# KiCad board copy.kicad_pcb (continued)
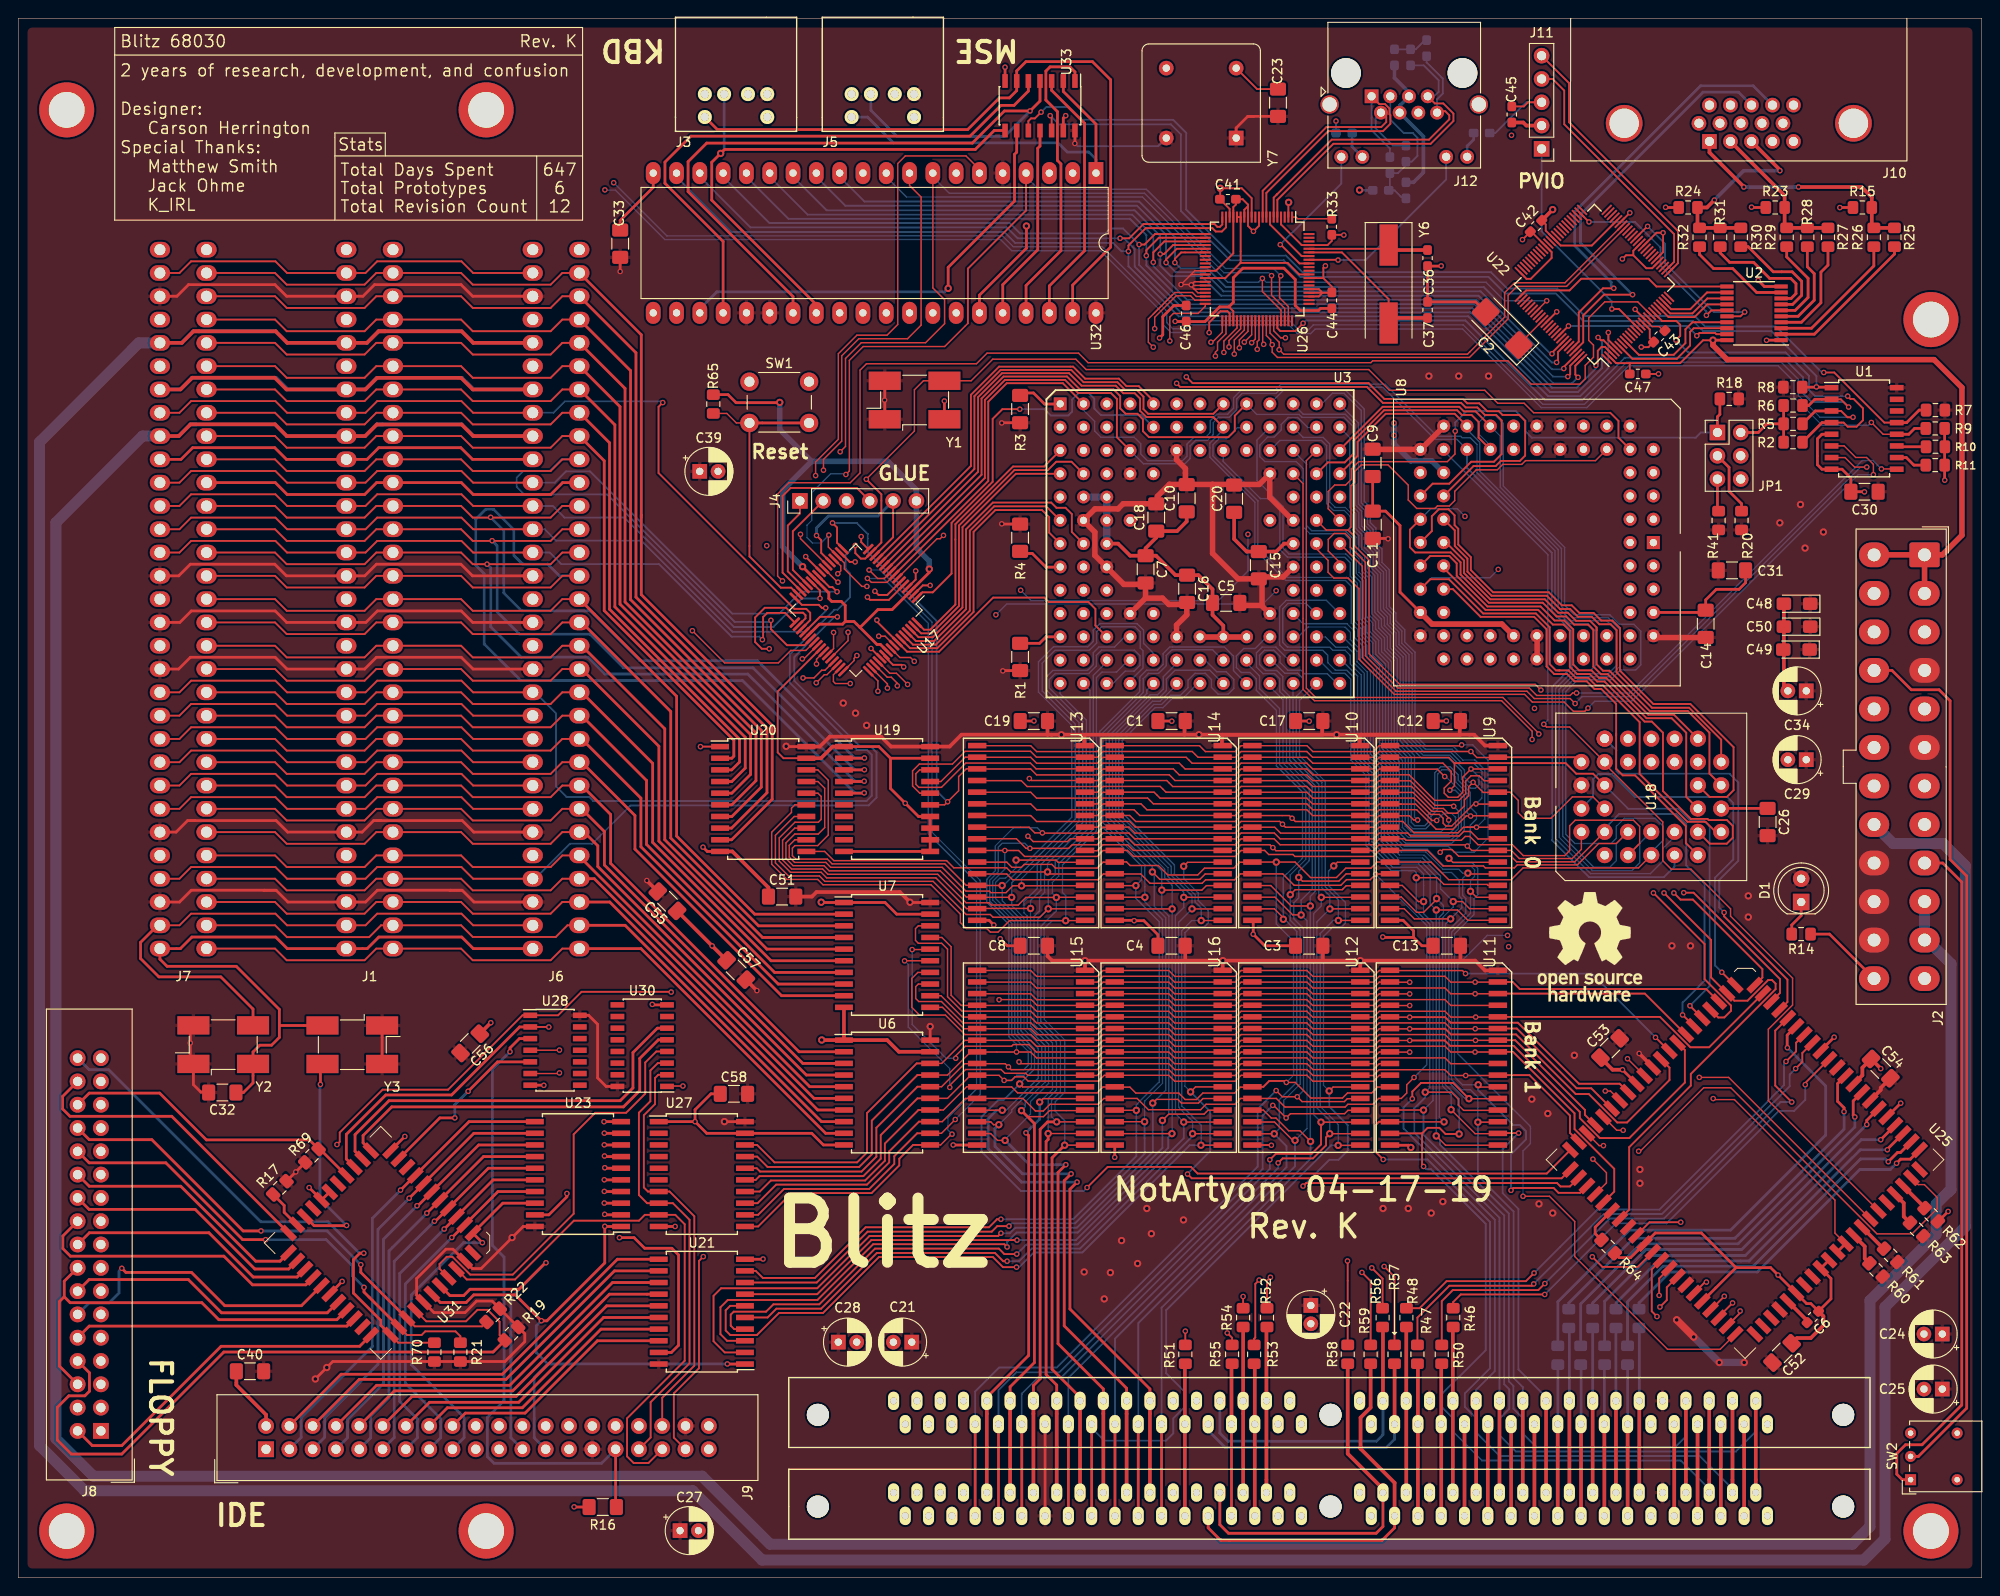
[diagram p0: board, top side]
## Routing (per net, layer and track width the routed paths; a pad name or vN(x,y) marks a point on that pad's centre or on a via; arc(x,y) is an arc through that point) (continued)
/D3: length 194.2
  Top w0.15: v2(154.55,48.16) 155.56,47.15 161.27,47.15 ; v2(154.55,72.79) 156.88,72.79 158,71.66 161.35,71.66
  Top w0.4: U24.8 U5.8
  In1.Cu w0.15: 144.06,100.02 144.26,100.02 147.73,103.49 147.73,112.62 151.58,116.47 165.44,116.47 175.26,106.65 176.44,106.65 176.96,107.17 176.96,109.03 U8.68
  Bottom w0.15: v2(154.55,48.16) v2(154.55,72.79) 153.88,73.46 153.88,76.55 153.29,77.14 153.29,77.15 152.64,77.8 149.96,77.8 147.55,80.21 147.55,87.77 145.98,89.34 145.98,98.28 144.27,99.99
  Bottom w0.2: U5.8 181.76,15.39 180.6,14.23 165.49,14.23 163.96,15.76 163.96,17.42 162.96,18.42 162.96,20.9 162.46,21.4 162.46,39.71 154.95,47.22 154.95,47.76 v2(154.55,48.16)
/D4: length 171
  Top w0.15: v2(156.4,73.71) 157.41,73.71 158.19,72.94 161.35,72.94 ; v2(156.17,51.02) 158.78,48.41 161,48.41
  Top w0.2: U11.18 161.31,48.47 v1(163.53,48.47)
  Top w0.4: U24.20 U5.20
  In1.Cu w0.15: U8.67 177.11,111.42 173.94,111.42 166.35,119.01 151.78,119.01 147.01,114.24 147.01,103.76 144.74,101.49 142.84,101.49 141.76,102.57 141.49,102.57
  Bottom w0.15: v2(156.17,51.02) 156.17,52.65 155.24,53.58 155.24,71.95 156.4,73.11 v2(156.4,73.71) 155.01,75.1 155.01,76.5 153.05,78.46 150.35,78.46 148.22,80.59 148.22,88.01 146.71,89.52 146.71,98.59 145.54,99.76 145.54,100.79 144.88,101.45 143.57,101.45 142.47,102.55 141.48,102.55
  Bottom w0.2: v1(163.53,48.47) 161.79,46.73 161.79,41.92 163.51,40.2 163.51,22.69 166.52,19.67 U5.20
/D5: length 175.4
  Top w0.15: 160.97,74.15 160.99,74.18 158.94,74.18 v2(158.28,74.83) ; 161,49.68 160.99,49.66 v2(159.09,49.66)
  Top w0.4: U24.22 U5.22
  In1.Cu w0.15: U8.66 174.67,107.77 165.62,116.82 151.43,116.82 147.36,112.75 147.36,103.62 144.88,101.14 142.5,101.14 142.33,101.31 140.89,101.31 140.25,101.95 140.25,103.82 U3.K11
  Bottom w0.15: 156.75,77.59 158.3,77.59 158.73,77.16 158.73,76.47 158.28,76.02 v2(158.28,74.83) 158.28,72.43 156.22,70.37 156.22,54.29 157.31,53.2 158.28,53.2 159.09,52.39 v2(159.09,49.66) ; 156.75,77.59 157.22,77.59 ; 156.75,77.59 155.41,77.59 153.59,79.41 150.92,79.41 149.22,81.11 149.22,88.44 147.7,89.96 147.7,99.08 146.63,100.15 146.63,101.5 145.63,102.5 145.63,103.19 144.81,104.01 140.02,104.01 138.94,105.09
  Bottom w0.2: U5.22 163.98,20.78 162.98,21.78 162.98,39.92 159.09,43.81 v2(159.09,49.66)
/D6: length 174.6
  Top w0.15: v2(153.35,52.93) 156.2,52.93 156.95,52.18 156.95,51.53 157.53,50.94 161,50.94 ; v2(152.37,76.31) 154.66,76.31 155.39,75.58 160.09,75.58 160.2,75.47 161.35,75.47
  Top w0.4: U24.24 U5.24
  In1.Cu w0.15: U3.M12 142.61,98.92 145.85,98.92 148.08,101.15 148.08,111.07 151.36,114.35 167.07,114.35 175.12,106.3 176.75,106.3 U8.65
  Bottom w0.15: 141.48,100.01 141.82,100.01 143.24,98.59 144.6,98.59 145.23,97.96 145.23,89.15 146.89,87.49 146.89,79.83 149.64,77.08 151.57,77.08 ; 151.77,77.08 151.57,77.08 ; 151.57,77.08 152.17,77.08 152.37,76.88 v2(152.37,76.31) 152.37,72.71 153.85,71.23 153.85,53.43 v2(153.35,52.93)
  Bottom w0.2: U5.24 161.44,39.24 152.15,48.53 152.15,51.16 153.35,52.36 v2(153.35,52.93)
/D7: length 185.8
  Top w0.15: v2(158.11,52.22) 161,52.22 161,52.22 ; 160.97,76.69 160.99,76.72 158.09,76.72 v2(158,76.81)
  Top w0.2: v1(151.94,52.21) 151.94,52.99 152.89,53.94 156.39,53.94 v2(158.11,52.22)
  Top w0.4: U24.26 U5.26
  In1.Cu w0.15: U3.L11 140.4,101.13 140.4,99.44 140.98,98.86 141.96,98.86 142.25,98.57 146.01,98.57 148.44,101 148.44,110.91 151.53,114 166.91,114 U8.64
  Bottom w0.15: v2(158.11,52.22) 157.69,52.22 155.91,54 155.91,70.58 157.77,72.44 157.77,74.05 157.43,74.39 157.43,76.24 v2(158,76.81) 157.43,76.81 157,77.24 155.28,77.24 153.41,79.11 150.73,79.11 148.89,80.95 148.89,88.28 147.37,89.8 147.37,98.9 146.26,100.01 146.26,101.2 145.19,102.27 145.19,103.07 144.62,103.64 140.57,103.64 139.48,102.55 138.94,102.55
  Bottom w0.2: v1(151.94,52.21) 150.99,51.26 150.99,48.97 160.93,39.03 160.93,22.5 158.9,20.47 U5.26
/D8: length 175.5
  Top w0.15: v2(140.82,73.23) 138.74,73.23 136.51,75.46 134.79,75.46 ; v2(140.85,47.56) 139.69,48.72 138.47,48.72 137.09,50.1 136.57,50.1 135.71,50.97 U12.13
  Top w0.3: U24.49 U5.49
  In1.Cu w0.15: U3.N13 145.42,97.49 148.79,100.86 148.79,101.57 148.79,109.02 151.55,111.78 166.59,111.78 U8.62
  Bottom w0.15: 143.78,97.45 142.68,98.55 140.18,98.55 139.81,98.92 138.38,98.92 137.53,99.77 137.53,100.43 136.85,101.11 135.84,101.11 135.29,100.56 135.29,99.56 135.95,98.9 137.17,98.9 137.83,98.24 137.83,96.81 138.59,96.05 138.59,89.11 141.37,86.33 141.37,74.82 140.82,74.27 v2(140.82,73.23) 140.82,48.38 ; 144.02,97.49 144.04,97.51 ; 140.82,48.38 140.83,48.37 ; 140.82,48.38 140.82,47.59 v2(140.85,47.56)
  Bottom w0.2: U5.49 124.61,29.44 140.85,45.68 v2(140.85,47.56)
/D9: length 178.1
  Top w0.15: v2(139.82,72.25) 139.81,72.26 138.9,72.26 136.97,74.19 134.79,74.19 ; 134.8,49.68 136.92,49.68 138.91,47.68 v2(139.16,47.68)
  Top w0.3: U24.51 U5.51
  In1.Cu w0.15: U8.60 174.37,98.84 172.63,98.84 171.84,99.63 171.84,100.9 172.07,101.13 172.07,103.36 166.53,108.9 151.78,108.9 149.88,107 149.88,100.43 144.99,95.54 141.17,95.54 140.08,96.63 140.08,98.38 139.66,98.8 139.66,99.33 U3.M11
  Bottom w0.15: v2(139.16,47.68) 140.46,48.98 140.46,71.61 v2(139.82,72.25) 139.82,73.86 141.02,75.06 141.02,86.16 138.22,88.96 138.22,95.87 137.49,96.6 137.49,98 136.93,98.56 135.67,98.56 134.95,99.28 134.95,100.84 135.56,101.45 137.07,101.45 138.54,99.98 138.93,99.98
  Bottom w0.2: v2(139.16,47.68) 139.16,44.84 122.07,27.75 U5.51
/D10: length 171.9
  Top w0.15: v2(137.88,71.78) 137.88,71.94 136.91,72.91 134.79,72.91 ; 134.8,48.41 134.81,48.39 v2(136.89,48.39)
  Top w0.3: U24.53 U5.53
  In1.Cu w0.15: U8.59 173.14,102.79 166.68,109.25 151.63,109.25 149.52,107.14 149.52,100.58 144.84,95.9 141.31,95.9 140.43,96.78 140.43,98.75 140.05,99.13 140.05,100.82 139.57,101.3 137.69,101.3 U3.L10
  Bottom w0.15: 138.01,71.79 139.35,70.45 139.35,54.02 137.44,52.11 137.44,48.94 v2(136.89,48.39) ; v2(137.88,71.78) 137.88,76.35 139.97,78.44 139.97,85.66 137.13,88.5 137.13,94.55 134.94,96.74 134.94,98 134.26,98.68 133.31,98.68 132.76,99.23 132.76,100.49 133.57,101.3 134.81,101.3 136.18,102.67
  Bottom w0.2: v2(136.89,48.39) 138.23,47.05 138.23,44.75 119.53,26.05 U5.53
/D11: length 171.8
  Top w0.15: v2(143.86,47.13) 146,47.13 146,47.13 ; 145.99,71.65 145.99,71.65 v2(143.88,71.65)
  Top w0.3: U24.55 U5.55
  In1.Cu w0.15: U8.58 174.36,101.37 174.36,103.48 166.42,111.42 151.69,111.42 149.16,108.89 149.16,100.73 144.69,96.26 142.73,96.26 U3.N12
  Bottom w0.15: v2(143.86,47.13) 143.88,47.15 143.88,49.39 141.9,51.37 141.9,70.24 143.31,71.65 v2(143.88,71.65) 143.88,73.89 142.44,75.33 142.44,86.81 139.65,89.6 139.65,95.64 141.48,97.47
  Bottom w0.2: U5.55 116.99,16.33 118.39,14.94 125.1,14.94 125.89,15.73 125.89,17.37 127.14,18.62 127.14,20.26 125.11,22.29 125.11,29.16 143.08,47.13 143.88,47.13
/D12: length 165.1
  Top w0.15: v2(142.94,48.4) 146,48.4 146,48.41 ; v2(142.96,72.91) 142.97,72.91 145.99,72.91
  Top w0.2: v2(142.94,48.4) 142.54,48 142.54,47.13 141.12,45.71 137.81,45.71 v1(137.32,45.22)
  Top w0.3: U24.57 U5.57
  In1.Cu w0.15: U3.M10 137.87,98.58 137.87,96.79 139.83,94.83 145.28,94.83 150.59,100.14 150.59,105.01 151.93,106.35 166.94,106.35 U8.57
  Bottom w0.15: v2(142.94,48.4) 142.94,49.83 141.54,51.23 141.54,71.49 v2(142.96,72.91) 142.96,74.31 142.09,75.18 142.09,86.69 139.29,89.49 139.29,96.08 140.03,96.82 140.03,98.02 139.45,98.6 138.04,98.6 136.63,100.01 136.4,100.01
  Bottom w0.2: U5.57 114.45,21.8 137.33,44.68 137.33,45.21 v1(137.32,45.22)
/D13: length 164.5
  Top w0.15: v2(141.99,49.66) 145.99,49.66 146,49.68 ; 145.99,74.19 145.97,74.17 v2(142.02,74.17)
  Top w0.2: v1(136.41,45.56) 137.06,46.21 140.97,46.21 141.99,47.23 v2(141.99,49.66)
  Top w0.3: U24.61 U5.61
  In1.Cu w0.15: U8.56 171.72,101.27 171.72,103.22 168.24,106.7 151.77,106.7 150.24,105.17 150.24,100.3 145.12,95.18 141.04,95.18 138.94,97.28 138.94,97.55
  Bottom w0.15: v2(142.02,74.17) 142.02,73.23 141.19,72.4 141.19,50.46 v2(141.99,49.66) ; 142.04,74.19 141.74,74.49 141.74,86.5 138.94,89.3 138.94,97.47
  Bottom w0.2: v1(136.41,45.56) 136.41,44.58 113.72,21.89 111.21,21.89 109.37,20.05 U5.61
/D14: length 176.3
  Top w0.15: 144.34,75.04 144.3,75 139.18,75 v2(138.64,74.46) ; 144.34,75.04 144.33,75.03 ; 144.34,75.04 144.73,75.43 145.97,75.43 145.99,75.46 ; 146,50.94 144.93,50.94 144.56,50.58 138.65,50.58 v1(138.19,50.12) 136.82,51.49 v1(136.73,51.49)
  Top w0.3: U24.63 U5.63
  In1.Cu w0.15: U8.55 166.58,104.17 151.91,104.17 150.95,103.21 150.95,100 145.43,94.48 139.67,94.48 137.51,96.64 137.51,98.26 137.01,98.76 135.15,98.76 U3.M9
  Bottom w0.15: 133.86,100.01 133.86,99.73 135.29,98.3 135.29,96.92 137.48,94.73 137.48,88.64 140.33,85.79 140.33,78.3 138.64,76.61 v2(138.64,74.46) 138.64,71.68 139.71,70.61 139.71,53.81 137.92,52.02 137.92,50.39 v1(138.19,50.12)
  Bottom w0.2: v1(136.73,51.49) 135.62,50.38 135.62,44.55 113.46,22.39 108.8,22.39 106.83,20.42 U5.63
/D15: length 172.8
  Top w0.15: 146,52.22 144.85,52.22 144.53,51.9 139.93,51.9 v1(139.4,52.43) 137.77,52.43 v1(137.1,53.1) ; v2(139.56,76.34) 139.96,75.94 143.94,75.94 144.72,76.72 145.99,76.72
  Top w0.3: U24.65 U5.65
  In1.Cu w0.15: U8.54 166.76,101.45 166.76,103.19 166.13,103.82 152.07,103.82 151.32,103.07 151.32,99.87 145.57,94.12 139.5,94.12 136.41,97.21 136.41,97.46
  Bottom w0.15: 136.4,97.55 136.4,97.15 137.84,95.71 137.84,88.8 140.69,85.95 140.69,78.15 139.56,77.02 v2(139.56,76.34) 139.56,74.11 139.01,73.56 139.01,71.85 140.09,70.77 140.09,53.11 140.08,53.11 v1(139.4,52.43) ; v1(137.1,53.1) 135.16,51.16
  Bottom w0.2: v1(137.1,53.1) 135.09,51.09 135.09,44.82 113.18,22.91 106.91,22.91 104.29,20.29 U5.65
/D16: length 290.7
  Top w0.15: v2(121.81,75.45) 121.81,75.44 119.79,75.44 119.81,75.47 ; 119.51,50.96 119.51,50.95 v2(121.86,50.95)
  Top w0.2: v1(107.1,39.07) 106.68,39.07 105.8,38.2 92.35,38.2 86.82,32.68 81.15,32.68 80.38,33.44 U21.9
  Top w0.4: U24.3 U5.3
  In1.Cu w0.2: 181.18,11.22 183,11.22 188.11,16.33 U5.3 ; 181.18,11.22 181.44,11.22 ; 181.18,11.22 102.55,11.22 97.92,15.85 97.92,17.33 99.23,18.64 99.23,20.05 103.22,24.04 103.22,35.62 106.68,39.07 v1(107.1,39.07)
  In2.Cu w0.15: U8.50 160.26,97.43 154.13,97.43 153,98.56 134.95,98.56 U3.N9
  Bottom w0.15: 133.86,97.47 132.45,98.88 132.45,100.47 131.46,101.46 125.51,101.46 124.78,100.73 124.78,99.56 124.16,98.94 122.99,98.94 122.24,98.19 122.24,97.77 122.23,97.76 122.23,96.62 117.86,92.25 117.86,82.16 122.43,77.59 122.43,76.07 v2(121.81,75.45) 121.81,74.05 124.36,71.5 124.36,54.05 121.86,51.55 v2(121.86,50.95)
  Bottom w0.2: v1(107.1,39.07) 114.97,39.07 121.86,45.96 v2(121.86,50.95)
/D17: length 282.9
  Top w0.15: v2(122.79,74.18) 119.79,74.18 119.79,74.18 119.81,74.16 ; 119.79,49.69 119.81,49.71 v2(122.76,49.71)
  Top w0.2: v1(107.97,38.32) 106.7,38.32 106.1,37.72 92.57,37.72 87.03,32.18 U21.8
  Top w0.3: 107.95,38.3 v1(107.97,38.32)
  Top w0.4: U24.5 U5.5
  In1.Cu w0.2: v1(107.97,38.32) 106.81,38.32 103.74,35.25 103.74,22.01 101.75,20.02 101.75,18.64 100.54,17.43 100.54,15.93 104.79,11.68 180.92,11.68 185.57,16.33 U5.5
  In2.Cu w0.15: U3.M8 132.77,101.46 151.63,101.46 154.55,98.54 158.52,98.54 159.34,99.36 159.34,101.59 U8.49
  Bottom w0.15: v2(122.76,49.71) 122.76,51.95 124.71,53.9 124.71,71.75 122.78,73.68 122.78,74.18 ; v2(122.79,74.18) 122.79,77.74 118.21,82.32 118.21,92.1 122.61,96.5 122.61,98.01 123.19,98.59 124.29,98.59 125.12,99.42 125.12,100.53 125.75,101.16 130.17,101.16 131.32,100.01
  Bottom w0.2: v2(122.76,49.71) 122.76,46.21 115.18,38.62 108.28,38.62 v1(107.97,38.32)
/D18: length 289.4
  Top w0.15: 119.79,72.91 119.79,72.91 v2(125.76,72.91) ; v2(125.74,48.41) 119.81,48.41 119.79,48.43
  Top w0.2: v1(108.85,36.8) 92.97,36.8 87.08,30.91 U21.7
  Top w0.3: 108.82,36.78 v1(108.85,36.8)
  Top w0.4: U24.7 U5.7
  In1.Cu w0.2: v1(108.85,36.8) 107.42,36.8 104.28,33.66 104.28,18.58 103.03,17.33 103.03,15.82 106.7,12.15 178.85,12.15 183.03,16.33 U5.7
  In2.Cu w0.15: U3.N8 130.13,96.28 128.25,96.28 127.56,96.97 127.56,98.11 128.07,98.62 129.36,98.62 129.75,99.01 132.18,99.01 132.65,99.48 132.65,100.54 133.21,101.1 151.47,101.1 154.44,98.13 158.79,98.13 160.44,99.78 U8.48
  Bottom w0.15: v2(125.74,48.41) 125.76,48.43 v2(125.76,72.91) 125.76,75.5 124.96,76.3 124.96,77.25 119.26,82.95 119.26,91.7 123.46,95.9 124.32,95.9 125.13,96.71 125.13,97.98 126.08,98.93 129.86,98.93 131.32,97.47
  Bottom w0.2: v2(125.74,48.41) 125.34,48.01 125.34,46.87 115.28,36.8 v1(108.85,36.8)
/D19: length 282.1
  Top w0.15: 130.99,71.63 130.99,71.64 v2(128.93,71.64) ; 130.99,47.16 130.99,47.15 v2(128.9,47.15)
  Top w0.2: U21.6 77.59,29.63 77.1,29.15 77.1,26.95 77.6,26.45 80.5,26.45 82.91,28.86 87.71,28.86 93.8,34.95 106.22,34.95 107.32,33.85 v1(108.8,33.85)
  Top w0.3: 108.78,33.82 v1(108.8,33.85)
  Top w0.4: U24.9 U5.9
  In1.Cu w0.2: v1(108.8,33.85) 108.8,22.1 106.8,20.1 106.8,18.59 105.56,17.35 105.56,15.89 108.81,12.64 176.8,12.64 180.49,16.33 U5.9
  In2.Cu w0.15: 161.25,99.09 159.94,97.78 154.29,97.78 153.15,98.92 133.19,98.92 132.93,98.66 130.2,98.66 129.03,97.49 U3.N7 ; 161.25,99.09 161.67,99.51 161.67,103.22 160.99,103.9 159.11,103.9 U8.47 ; 161.25,99.09 161.55,99.39
  Bottom w0.15: 128.78,97.47 128.53,97.47 126.91,95.85 125.76,95.85 124.76,94.85 123.91,94.85 120.31,91.25 120.31,83.4 126.01,77.7 126.01,76.7 128.26,74.45 128.26,73.67 128.93,73 v2(128.93,71.64) 127.91,71.64 126.8,70.53 126.8,51.44 128.93,49.31 128.93,47.18 v2(128.9,47.15)
  Bottom w0.2: v1(108.8,33.85) 109.07,33.85 110.68,35.45 115.97,35.45 127.68,47.15 v2(128.9,47.15)
/D20: length 259.9
  Top w0.15: v2(127.93,72.91) 127.94,72.91 130.99,72.91 ; 130.99,48.43 130.97,48.4 v2(127.99,48.4)
  Top w0.2: U21.5 81.66,28.37 82.62,29.32 87.5,29.32 93.57,35.4 106.45,35.4 107.35,34.5 v1(107.78,34.5)
  Top w0.3: 107.68,34.6 v1(107.78,34.5)
  Top w0.4: U24.21 U5.21
  In1.Cu w0.2: v1(107.78,34.5) 109.04,34.5 109.59,33.95 109.59,33.51 109.39,33.31 109.39,18.65 108.13,17.39 108.13,15.93 110.92,13.14 162.06,13.14 165.25,16.33 U5.21
  In2.Cu w0.15: U8.46 156.47,101.58 156.47,103.43 155.86,104.04 132.86,104.04 132.35,103.53 132.35,102.11 131.73,101.49 130.26,101.49 U3.M7
  Bottom w0.15: v2(127.99,48.4) 127.99,49.75 126.47,51.27 126.47,71.45 v2(127.93,72.91) 127.93,74.33 125.66,76.6 125.66,77.55 119.96,83.25 119.96,91.4 123.76,95.2 124.61,95.2 125.61,96.2 126.67,96.2 127.5,97.03 127.5,97.85 128.24,98.59 129.37,98.59 130.05,97.91 130.05,97.05 130.77,96.33 131.86,96.33 132.49,96.96 132.49,97.93 131.65,98.77 130.61,98.77 129.4,99.98 128.79,99.98
  Bottom w0.2: v1(107.78,34.5) 109.07,34.5 110.45,35.88 115.72,35.88 127.99,48.14 v2(127.99,48.4)
/D21: length 244.8
  Top w0.15: 130.99,49.69 130.97,49.67 v2(127.03,49.67) ; v2(127.03,74.17) 127.03,74.18 130.99,74.18
  Top w0.2: U21.4 78.03,27.09 77.65,27.47 77.65,28.68 77.97,29 81.5,29 82.3,29.8 87.3,29.8 93.38,35.88 106.88,35.88 107.47,35.28 v1(108.82,35.28)
  Top w0.3: 108.8,35.3 v1(108.82,35.28)
  Top w0.4: U24.23 U5.23
  In1.Cu w0.2: v1(108.82,35.28) 109.25,35.28 110.06,34.46 110.06,22.24 111.91,20.39 111.91,18.58 110.64,17.31 110.64,15.89 112.88,13.65 160.03,13.65 162.71,16.33 U5.23
  In2.Cu w0.15: U8.45 154.36,103.69 133.01,103.69 132.7,103.38 132.7,101.97 131.87,101.14 130.55,101.14 130.06,100.65 130.06,99.81 129.22,98.97 127.74,98.97 U3.N6
  Bottom w0.15: 126.24,97.47 126.24,97.33 124.46,95.55 123.61,95.55 119.61,91.55 119.61,83.1 125.31,77.4 125.31,76.45 127.01,74.75 127.01,74.05 ; v2(127.03,49.67) 126.12,50.58 126.12,72.14 127.03,73.05 v2(127.03,74.17)
  Bottom w0.2: v2(127.03,49.67) 127.03,47.91 115.45,36.32 109.88,36.32 v1(108.82,35.28)
/D22: length 265.7
  Top w0.15: 130.99,75.44 129.5,75.44 129.01,74.96 v2(124.64,74.96) ; 130.99,50.97 129.68,50.97 129.25,50.54 125.39,50.54 v2(124.7,49.85)
  Top w0.2: U21.3 77.25,25.82 76.53,26.55 76.53,29.47 77.32,30.28 87.1,30.28 93.18,36.35 107.48,36.35 v1(107.78,36.05)
  Top w0.4: U24.25 U5.25
  In1.Cu w0.2: v1(107.78,36.05) 109.48,36.05 110.68,34.85 110.68,23.89 114.45,20.12 114.45,18.63 113.19,17.37 113.19,15.91 114.97,14.13 157.97,14.13 160.17,16.33 U5.25
  In2.Cu w0.15: U8.44 156.53,98.98 158.34,98.98 158.99,99.63 158.99,100.75 158.5,101.24 157.58,101.24 156.83,101.99 156.83,105.57 155.81,106.59 131.02,106.59 129.84,105.41 129.84,102.08 129.29,101.53 127.76,101.53 U3.M6
  Bottom w0.15: v2(124.7,49.85) 125.41,50.56 125.41,72.13 124.64,72.9 v2(124.64,74.96) 124.63,74.97 124.63,77.08 118.91,82.8 118.91,91.8 123.36,96.25 124.17,96.25 124.79,96.87 124.79,98.21 126.24,99.66 126.24,100.01
  Bottom w0.2: v1(107.78,36.05) 107.78,36.6 108.8,37.62 115.47,37.62 124.7,46.85 v2(124.7,49.85)
/D23: length 255
  Top w0.15: v2(123.61,76.94) 124.42,76.13 128.78,76.13 129.37,76.72 130.99,76.72 ; 130.99,52.24 129.12,52.24 128.63,51.74 126.78,51.74 126.38,52.14 124.05,52.14 v2(123.65,51.74)
  Top w0.2: v1(107.1,37.55) 106.8,37.25 92.78,37.25 87.07,31.55 76.6,31.55 75.78,30.72 75.78,25.78 77,24.56 U21.2
  Top w0.3: 107.07,37.53 v1(107.1,37.55)
  Top w0.4: U24.27 U5.27
  In1.Cu w0.2: U5.27 157.63,16.33 155.9,14.6 116.87,14.6 115.76,15.71 115.76,17.43 116.97,18.64 116.97,20.02 111.33,25.66 111.33,35.51 109.29,37.55 v1(107.1,37.55)
  In2.Cu w0.15: U8.42 154.35,106.24 131.16,106.24 130.19,105.27 130.19,101.94 129.43,101.18 128.04,101.18 127.49,100.63 127.49,99.59 126.79,98.89 125.12,98.89 U3.N5
  Bottom w0.15: v2(123.65,51.74) 125.06,53.15 125.06,71.95 123.81,73.2 123.81,76.74 v2(123.61,76.94) 123.61,77.51 118.56,82.56 118.56,91.95 123,96.39 123,96.77 123.7,97.47
  Bottom w0.2: v1(107.1,37.55) 108.07,37.55 108.68,38.15 115.38,38.15 123.65,46.43 v2(123.65,51.74)
/D24: length 446.8
  Top w0.15: U20.18 87.15,88.06 88.28,86.93 88.28,80.96 87.13,79.81 84.65,79.81 84.37,79.53 84.37,78.71 84.74,78.34 88.18,78.34 88.7,77.82 100.98,77.82 103.32,75.48 104.51,75.48 ; 104.8,75.44 104.81,75.46 v2(107.23,75.46) ; 104.78,50.96 104.78,50.96 v2(107.25,50.96)
  Top w0.2: 174.16,91.81 174.16,95.27 172.54,96.89 171.79,96.89 170.96,97.72 169.61,97.72 168.82,98.51 167.41,98.51 166.57,99.35 166.57,103.4 165.22,104.75 159.39,104.75 156.37,107.77 U8.40 ; 174.16,91.81 174.16,92.03 ; 174.16,91.81 174.16,88.19 174.88,87.47 176.22,87.47 181.76,81.93 181.76,80.08 U18.13 ; U26.26 126.75,144.48 126.06,143.79 v1(126.06,143.37) ; U22.93 167.17,133.54 v1(167.17,133.43)
  Top w0.3: U5.50 123.34,20.57 114.62,29.29 114.62,42.35 v1(115.4,43.12) ; v1(63.91,39.61) 63.97,39.56 U23.2
  Top w0.4: U5.50 U24.50
  In1.Cu w0.15: v2(107.25,50.96) 100.5,50.96 95.5,45.96 65.42,45.96 64.79,46.59 63.56,46.59 62.37,45.4 62.37,41.15 v1(63.91,39.61)
  In2.Cu w0.15: 123.76,100.01 125.26,101.51 126.67,101.51 127.32,102.16 127.32,107.09 129.34,109.11 150.99,109.11 151.24,108.86 154.27,108.86 U8.40 158.2,110.61 162.61,110.61 174.2,122.2 174.2,126.32 173.09,127.43 170.05,127.43 166.71,130.77 166.71,132.97 v1(167.17,133.43)
  Bottom w0.15: 107.23,75.44 107.37,75.44 114.81,82.88 114.81,92.93 111.19,96.55 111.19,99.84 112.83,101.48 116.57,101.48 117.16,102.07 117.16,103.29 117.88,104.01 121.94,104.01 122.65,103.3 122.65,101.85 123.71,100.79 123.71,100.02 123.7,100.01 ; v2(107.23,75.46) 107.23,73.8 109.26,71.77 109.28,59.66 109.28,59.59 111.16,57.71 111.16,54.44 107.68,50.96 v2(107.25,50.96)
  Bottom w0.2: 166.95,133.48 167.12,133.48 v1(167.17,133.43) ; 166.95,133.48 166.96,133.48 ; 166.95,133.48 159.73,140.7 131.62,140.7 129.56,142.76 126.67,142.76 v1(126.06,143.37) 126.06,146.13 122.16,150.03 92.22,150.03 89.52,152.73 U32.12
  Bottom w0.3: v2(107.25,50.96) 106.63,50.96 105.7,50.03 105.7,46.78 109.35,43.12 v1(115.4,43.12)
/D25: length 454
  Top w0.15: U20.17 87.16,86.8 87.89,86.06 87.89,81.77 87.19,81.07 84.63,81.07 83.67,80.11 83.67,78.4 84.45,77.62 87.82,77.62 88.38,77.06 100.48,77.06 103.33,74.21 104.51,74.21 ; 104.8,74.18 104.81,74.17 v2(108.27,74.17) ; 104.51,49.69 106,49.69 106.3,49.38 v2(106.87,49.38) ; 104.78,49.69 104.78,49.69
  Top w0.2: 168.01,98.91 167.6,98.91 166.92,99.59 166.92,103.61 165.41,105.12 159.66,105.12 155.93,108.85 153.9,108.85 U8.39 ; 168.01,98.91 167.8,98.91 ; 168.01,98.91 168.96,98.91 169.77,98.1 171.12,98.1 171.95,97.27 172.72,97.27 176.72,93.27 176.72,87.62 181.93,82.41 183.9,82.41 184.95,81.36 185.56,81.36 ; v1(125.1,143.37) 125.1,143.71 126.27,144.88 U26.25 ; U22.94 167.82,133.63 167.82,132.64 v1(167.67,132.49)
  Top w0.3: U23.3 63.88,40.82 v1(63.87,40.84) ; v1(114.75,44.03) 114,43.28 114,27.45 120.8,20.65 U5.52
  Top w0.4: U5.52 U24.52
  In1.Cu w0.15: v1(63.87,40.84) 62.78,41.93 62.78,44.57 63.54,45.33 64.37,45.33 64.6,45.1 95.92,45.1 100.2,49.38 v2(106.87,49.38)
  In2.Cu w0.15: U8.39 151.81,107.77 150.82,108.76 129.48,108.76 127.67,106.95 127.67,102.02 126.81,101.16 125.52,101.16 124.96,100.6 124.96,99.5 124.23,98.77 122.46,98.77 U3.N4 ; v1(161.31,109.92) 162.47,109.92 174.56,122.01 174.56,126.5 173.26,127.8 170.24,127.8 167.67,130.37 v1(167.67,132.49)
  Bottom w0.15: 121.17,97.41 121.17,97.76 122.59,99.18 122.59,101.04 122.29,101.34 122.29,103.1 121.73,103.66 118.06,103.66 117.53,103.13 117.53,101.9 116.74,101.11 113,101.11 111.6,99.71 111.6,96.66 115.21,93.05 115.21,82.7 108.27,75.76 v2(108.27,74.17) 108.27,73.29 109.61,71.95 109.61,59.79 111.56,57.84 111.56,54.29 108.27,51 108.27,50.78 v2(106.87,49.38) ; v1(161.31,109.92) 160.4,109.01 154.06,109.01 U8.39
  Bottom w0.2: U32.13 86.98,152.73 90.14,149.57 121.93,149.57 125.1,146.4 v1(125.1,143.37) 126.14,142.33 129.26,142.33 131.35,140.24 159.38,140.24 167.13,132.49 v1(167.67,132.49)
  Bottom w0.3: v2(106.87,49.38) 106.45,48.96 106.45,47.03 109.45,44.03 v1(114.75,44.03)
/D26: length 459.5
  Top w0.15: 104.51,48.41 105.99,48.41 106.73,47.67 v2(107.55,47.67) ; 104.8,72.91 104.85,72.96 v2(110.33,72.96) ; U20.16 87.16,85.53 87.51,85.17 87.51,82.67 87.2,82.36 84.65,82.36 82.94,80.65 82.94,78.12 84.16,76.9 87.5,76.9 88.11,76.29 100.01,76.29 103.36,72.94 104.51,72.94 ; 104.79,48.43 104.78,48.41
  Top w0.2: U8.38 155.36,110.07 159.92,105.51 165.66,105.51 167.26,103.91 168.43,103.91 169.11,103.23 169.11,99.31 169.91,98.51 171.28,98.51 172.09,97.7 172.89,97.7 177.26,93.33 178.05,93.33 179.26,92.12 179.26,85.76 182.3,82.72 184.12,82.72 184.25,82.59 186.24,82.59 186.87,81.96 186.87,80.67 186.22,80.02 184.36,80.02 U18.15 ; v1(124.46,144.3) 124.88,144.3 125.86,145.28 U26.24 ; v1(168.45,131.82) 168.45,131.99 U22.98
  Top w0.3: U23.4 63.88,42.09 v1(63.87,42.11) ; U5.54 118.26,20.57 113.32,25.51 113.32,44.18 v1(114.18,45.03)
  Top w0.4: U5.54 U24.54
  In1.Cu w0.15: v1(63.87,42.11) 63.21,42.78 63.21,42.78 63.21,43.76 63.48,44.03 64.38,44.03 64.58,44.23 96.36,44.23 98.6,46.47 106.35,46.47 v2(107.55,47.67)
  In2.Cu w0.15: U3.N3 119.92,98.77 121.67,98.77 122.46,99.56 122.46,100.62 122.96,101.12 124.3,101.12 125.12,101.94 125.12,103.13 126.96,104.97 126.96,107.21 131.06,111.31 150.08,111.31 152.18,109.21 154.26,109.21 U8.38 ; v1(168.45,131.82) 168.45,133.23 167.69,133.99 166.76,133.99 166.31,133.54 166.31,130.59 169.83,127.07 171.38,127.07 172.05,126.4 172.05,122.17 160.9,111.02 156.15,111.02 155.41,110.28
  Bottom w0.15: v2(107.55,47.67) 107.55,47.76 110.33,50.54 110.33,51.91 112.3,53.88 112.3,58.15 110.33,60.12 v2(110.33,72.96) 110.33,73.82 111.46,74.95 111.46,77.75 116.01,82.3 116.01,93.35 112.37,96.99 112.37,97.92 113.02,98.57 116.68,98.57 117.51,99.4 117.51,100.55 118.08,101.12 121.64,101.12 122.26,100.5 122.26,99.47 121.62,98.83 120.65,98.83 119.29,97.47 118.62,97.47
  Bottom w0.2: U32.14 84.44,152.73 88.1,149.07 121.68,149.07 124.46,146.29 v1(124.46,144.3) 124.46,143.05 125.62,141.89 128.98,141.89 131.11,139.76 159.16,139.76 167.17,131.75 168.38,131.75 v1(168.45,131.82)
  Bottom w0.3: v2(107.55,47.67) 110.19,45.03 v1(114.18,45.03)
/D27: length 443.9
  Top w0.15: 115.98,47.15 115.97,47.15 v2(114.05,47.15) ; U20.15 84.63,84.25 84.27,83.89 84.27,83.43 82.11,81.27 82.11,77.78 83.77,76.12 87.13,76.12 87.71,75.54 99.48,75.54 102.68,72.34 102.68,71.42 103.33,70.77 105.56,70.77 105.95,70.38 106.79,70.38 108.04,71.63 v2(114.16,71.63) 114.16,71.63 116,71.63
  Top w0.2: U8.37 153.89,111.38 155.98,111.38 156.78,110.58 156.78,109.23 160.13,105.88 165.92,105.88 167.45,104.35 168.51,104.35 169.48,103.38 169.48,99.56 170.12,98.92 171.47,98.92 172.3,98.09 173.08,98.09 177.47,93.7 180.21,93.7 181.8,92.11 181.8,85.12 U18.17 ; U26.23 124.91,145.68 123.71,144.48 v1(123.71,143.41) ; v1(168.89,130.94) 169.15,131.2 169.15,132.13 U22.99
  Top w0.3: U23.5 63.88,43.37 v1(63.87,43.38) ; U5.56 115.72,19.67 112.68,22.72 112.68,45.78 v2(114.05,47.15)
  Top w0.4: U5.56 U24.56
  In1.Cu w0.15: v2(114.05,47.15) 113,46.1 98.8,46.1 96.49,43.79 64.86,43.79 64.45,43.38 v1(63.87,43.38)
  In2.Cu w0.15: 121.31,100.09 122.69,101.47 124.16,101.47 124.77,102.08 124.77,103.24 126.63,105.1 126.63,107.36 130.93,111.66 150.28,111.66 151.63,110.31 U8.37 153.94,111.43 160.75,111.43 171.7,122.38 171.7,126.18 171.17,126.71 169.68,126.71 165.96,130.43 165.96,133.74 166.56,134.34 168.16,134.34 169.19,133.31 169.19,131.24 v1(168.89,130.94)
  Bottom w0.15: 121.03,100.06 119.7,98.73 118.12,98.73 117.51,98.12 117.51,81.4 113.81,77.7 113.81,74.7 114.16,74.35 v2(114.16,71.63) 112.69,71.63 111.81,70.75 111.81,60.87 114.05,58.63 114.05,52.91 113,51.86 113,50.88 114.05,49.83 v2(114.05,47.15)